# Altium PCB CPU_MOD.PcbDoc
Units mm, origin at the board's own origin, x right, y up, seen from the top; angles counter-clockwise.
Board outline 48 x 50.95 mm, 4 copper layers (Top Layer, GND, PWR, Bottom Layer), stack 0.861 mm thick; 78 components, 89 nets, 418 pads, 157 vias.
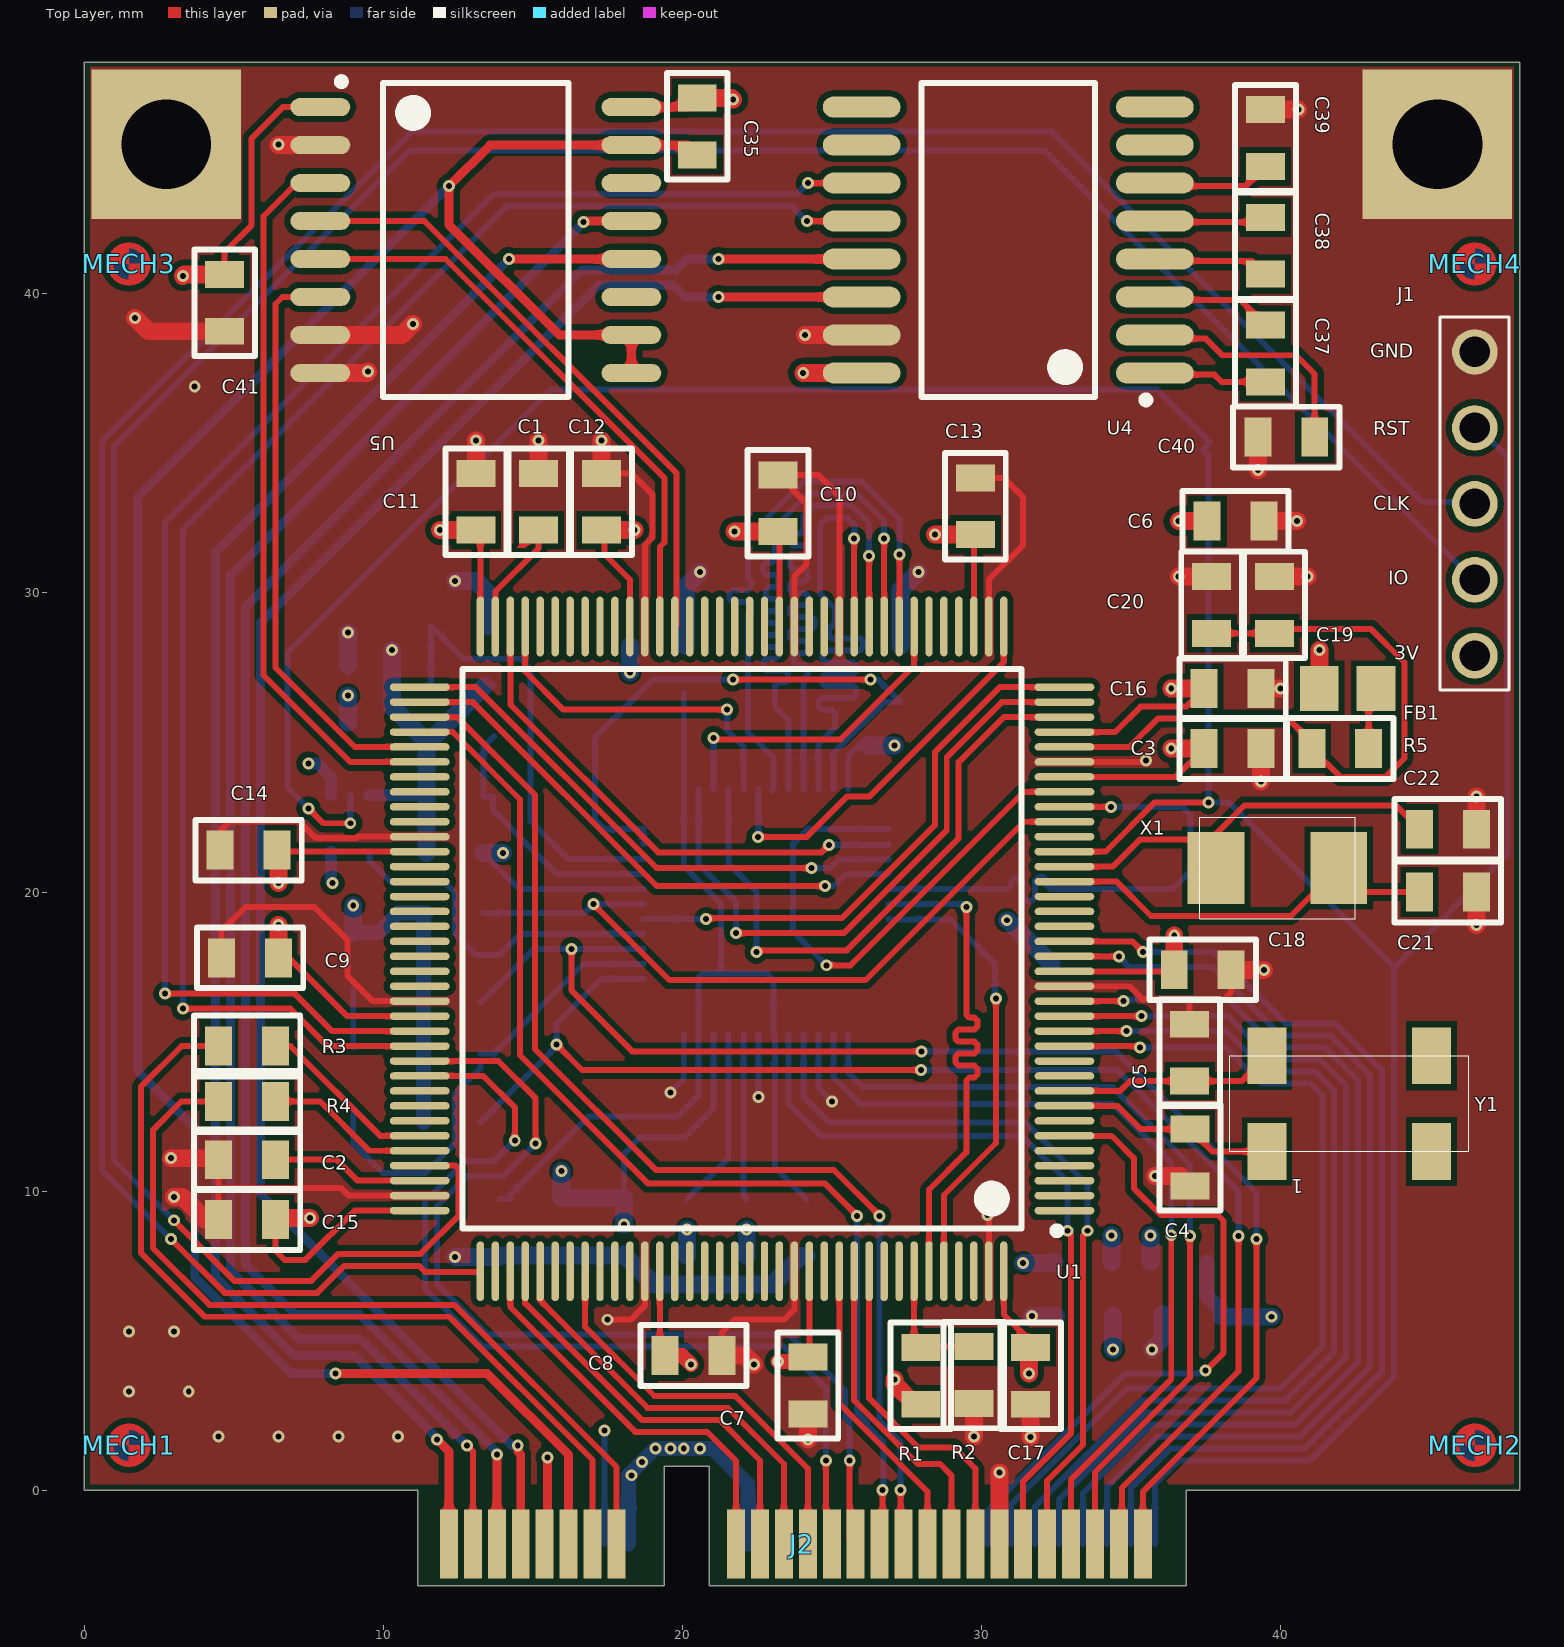
[diagram p0: Top Layer view]
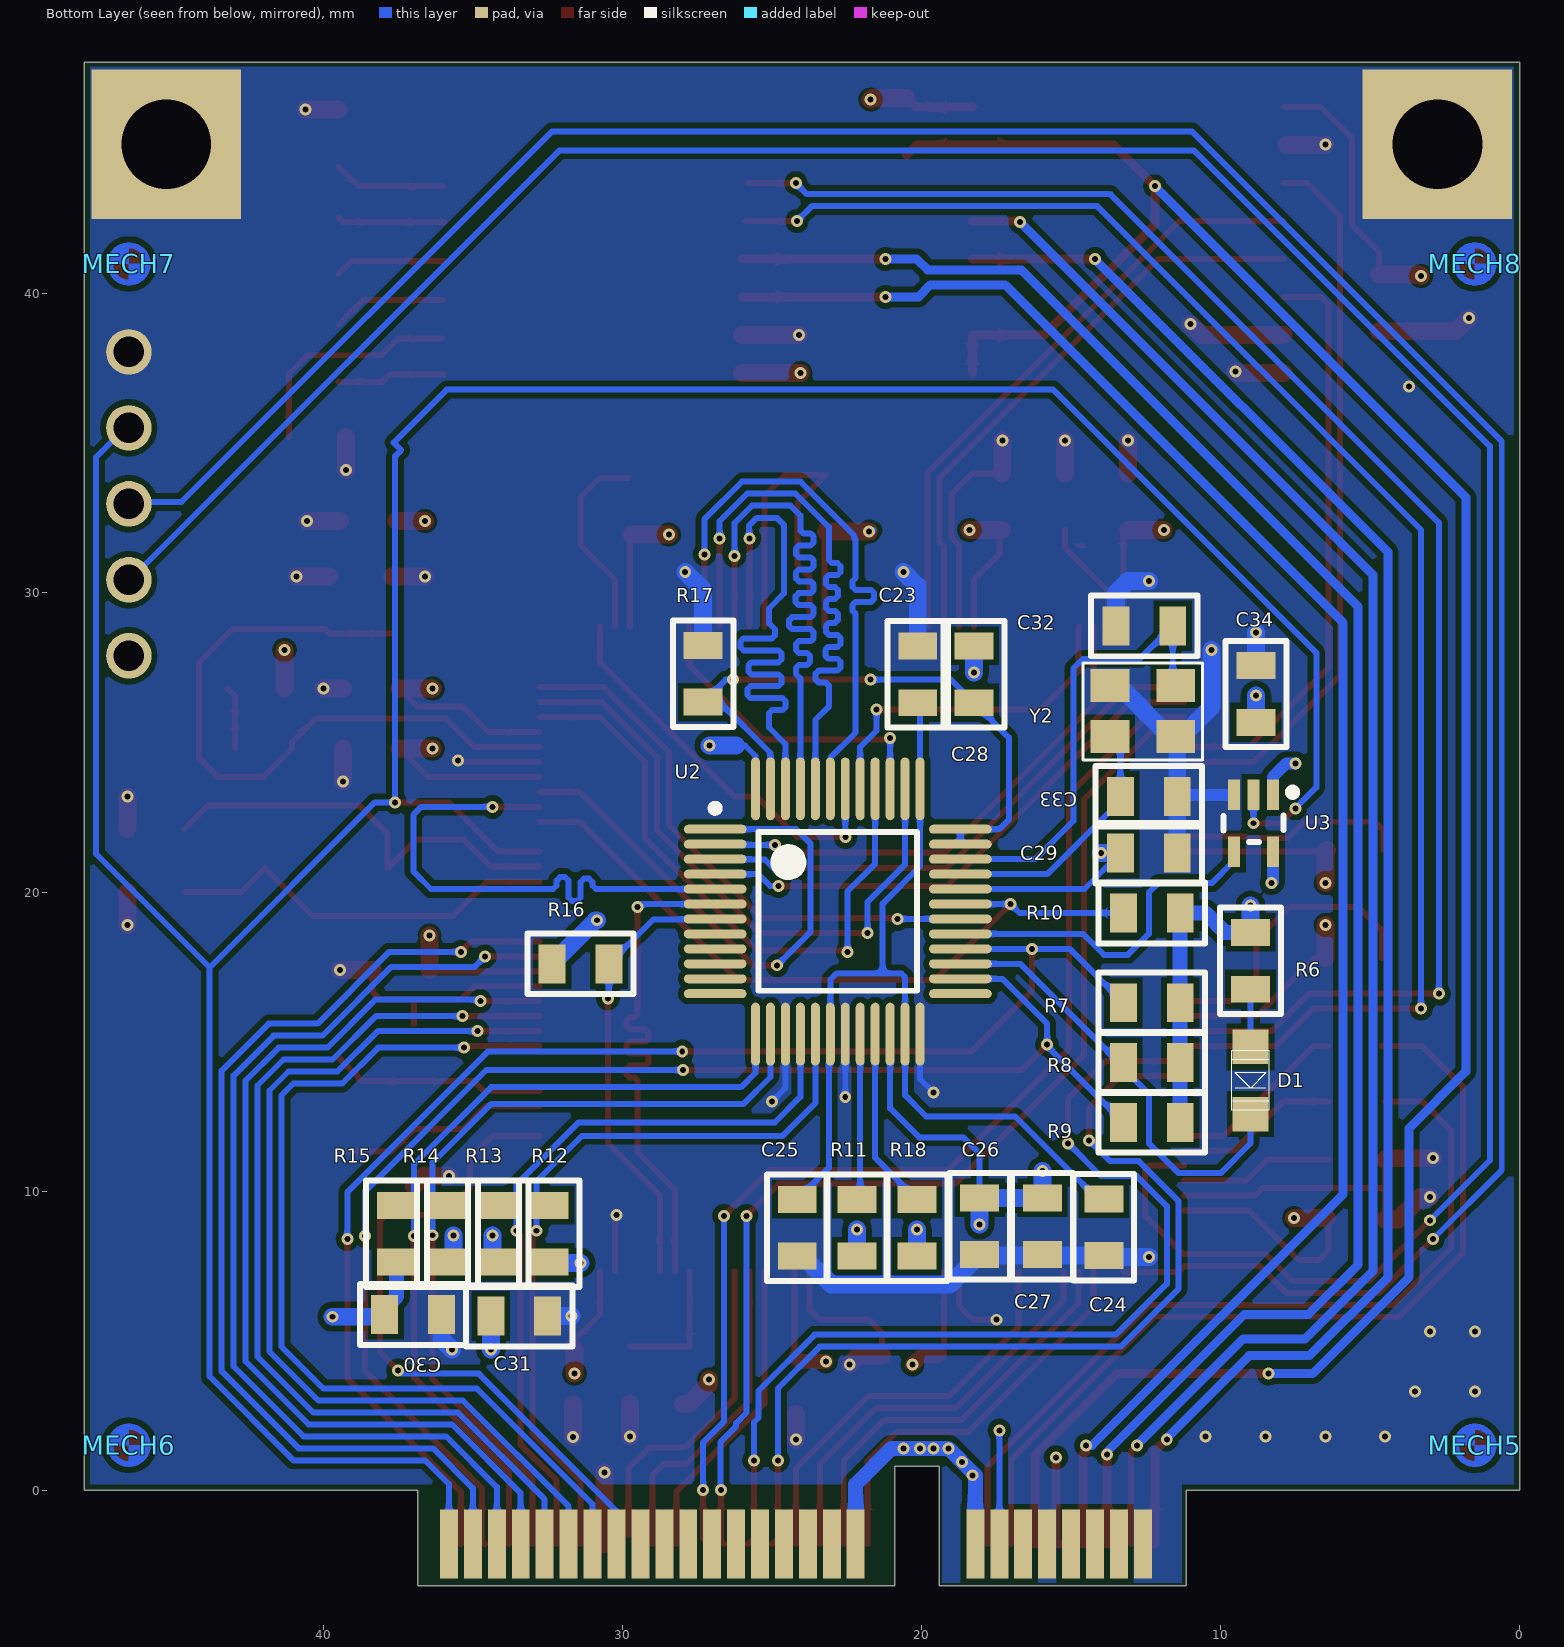
[diagram p1: Bottom Layer view, seen from below]
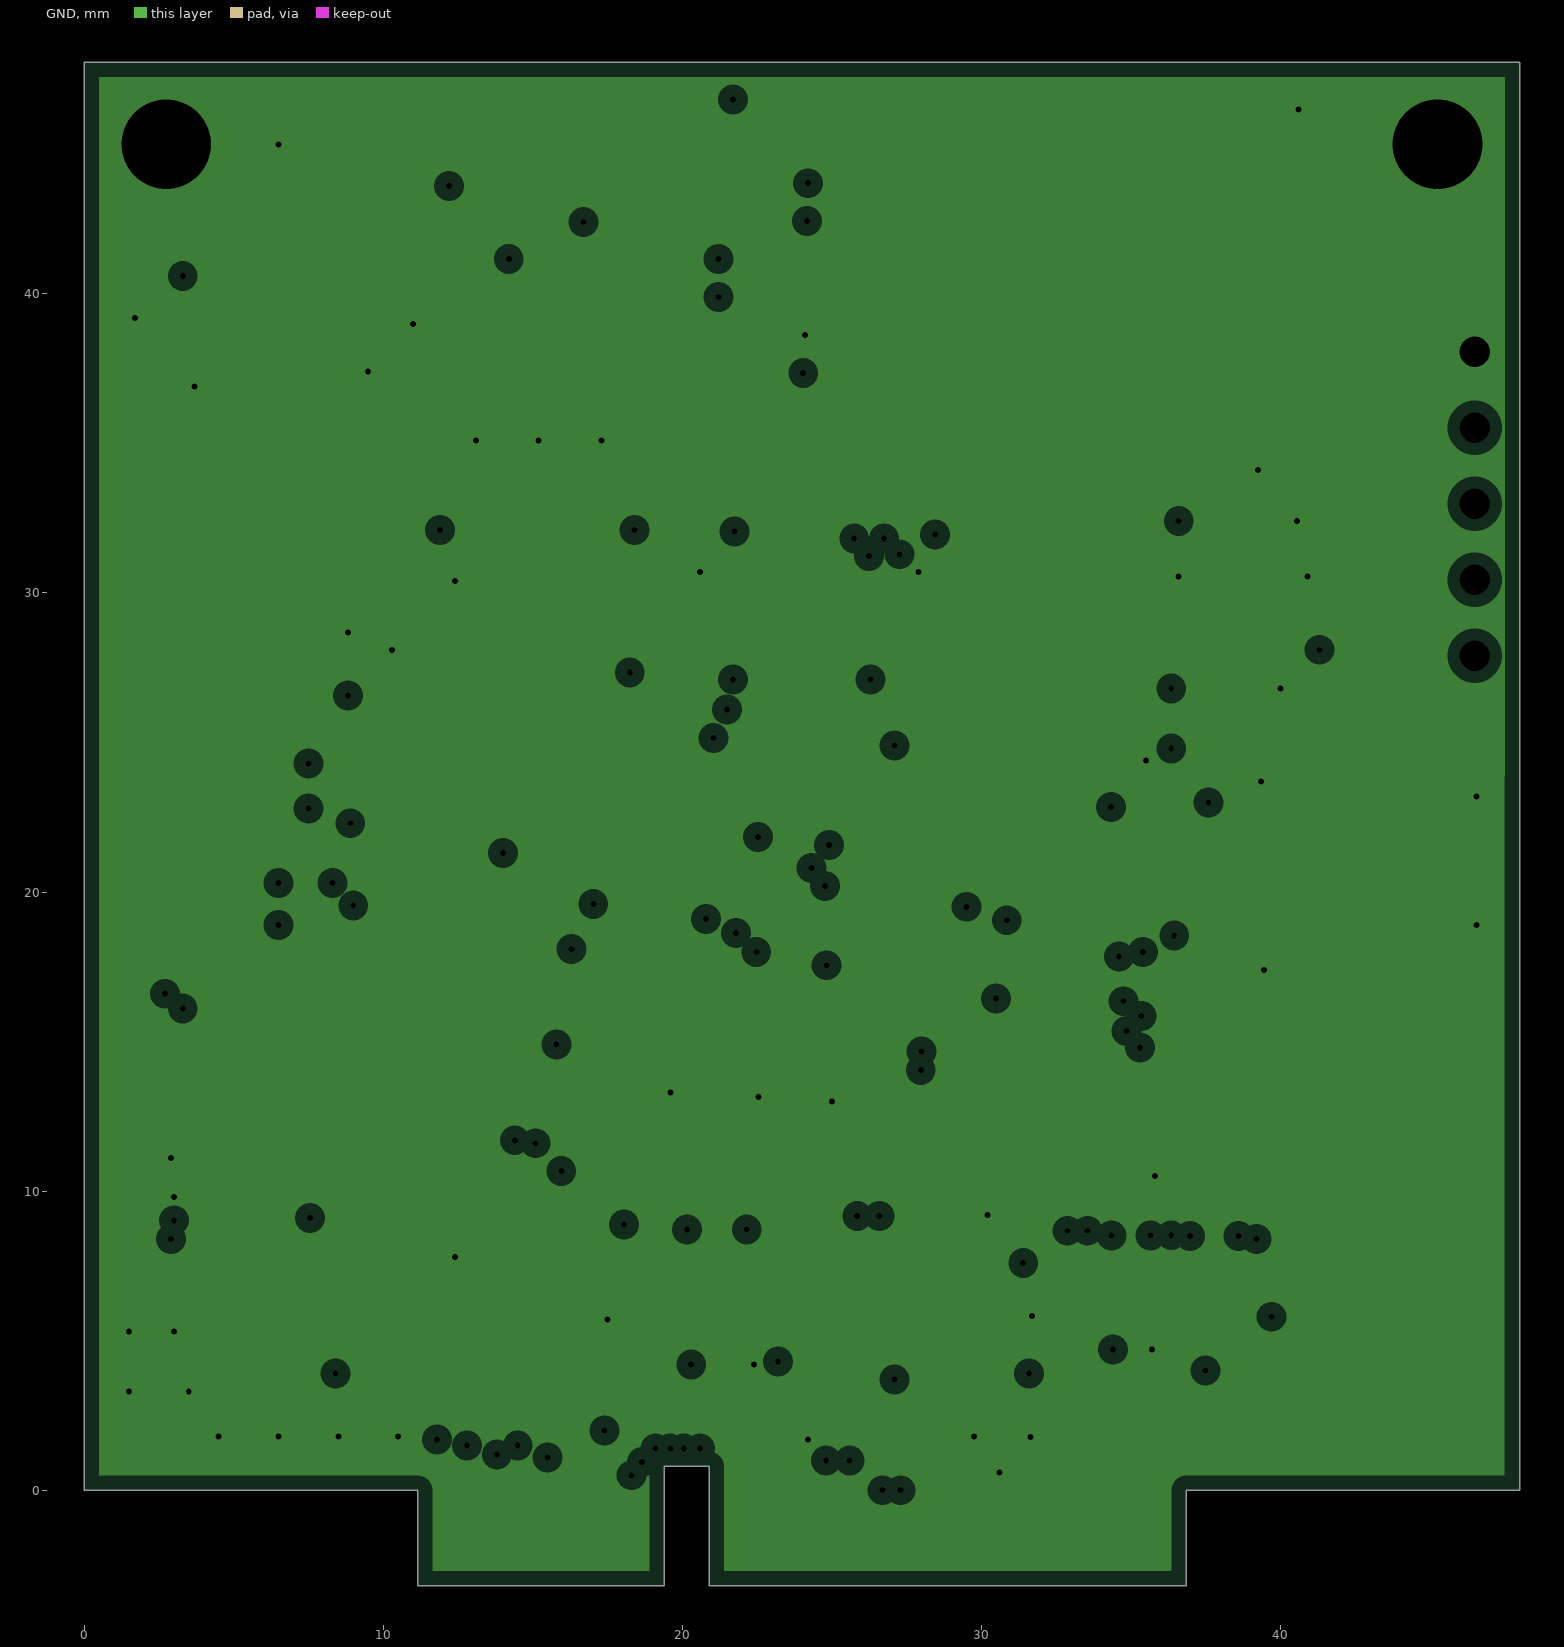
[diagram p2: GND, clearances drawn from the general rule]
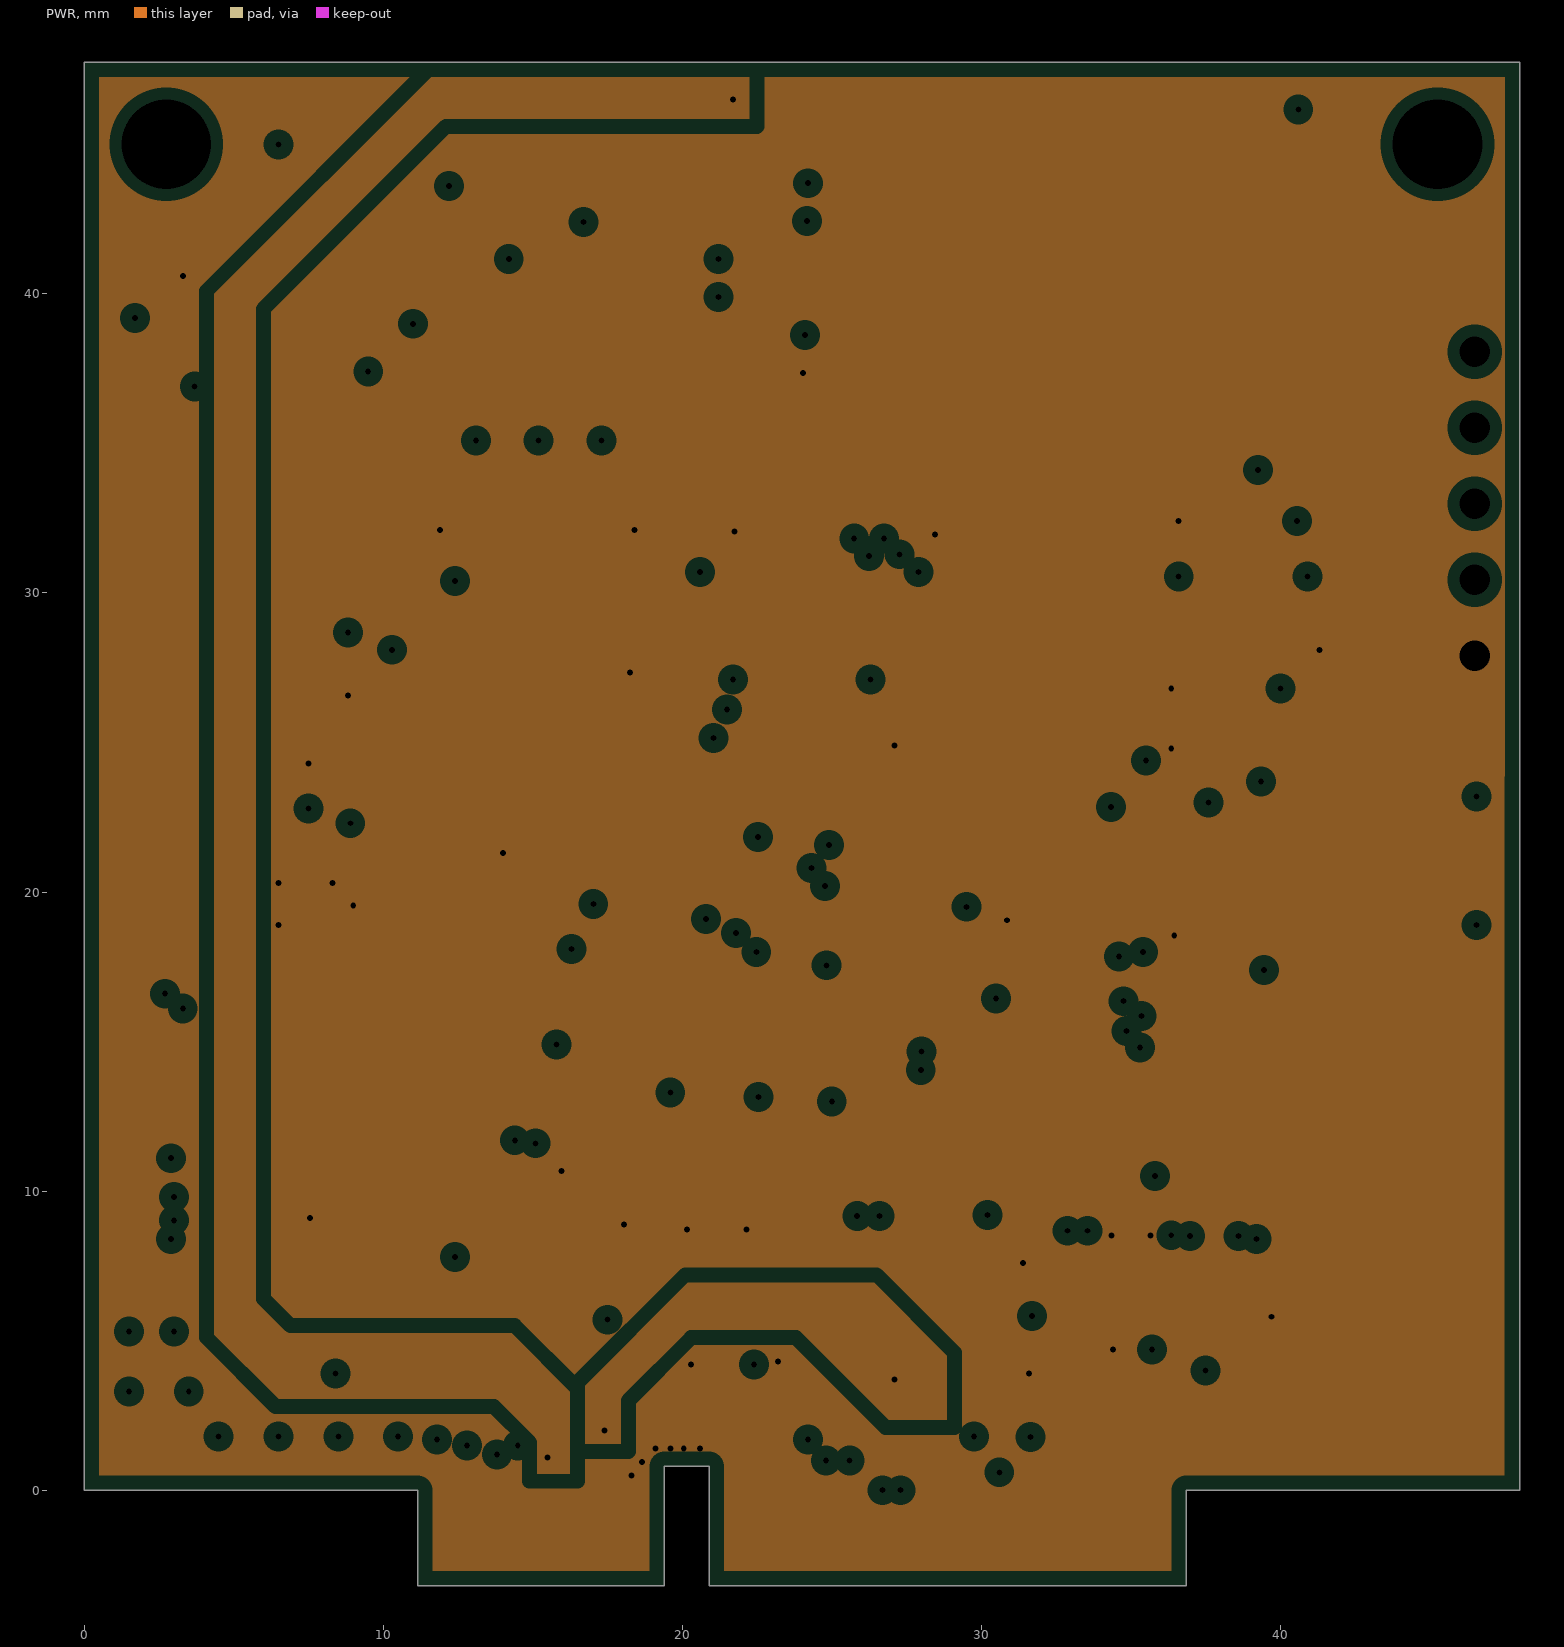
[diagram p3: PWR, clearances drawn from the general rule]
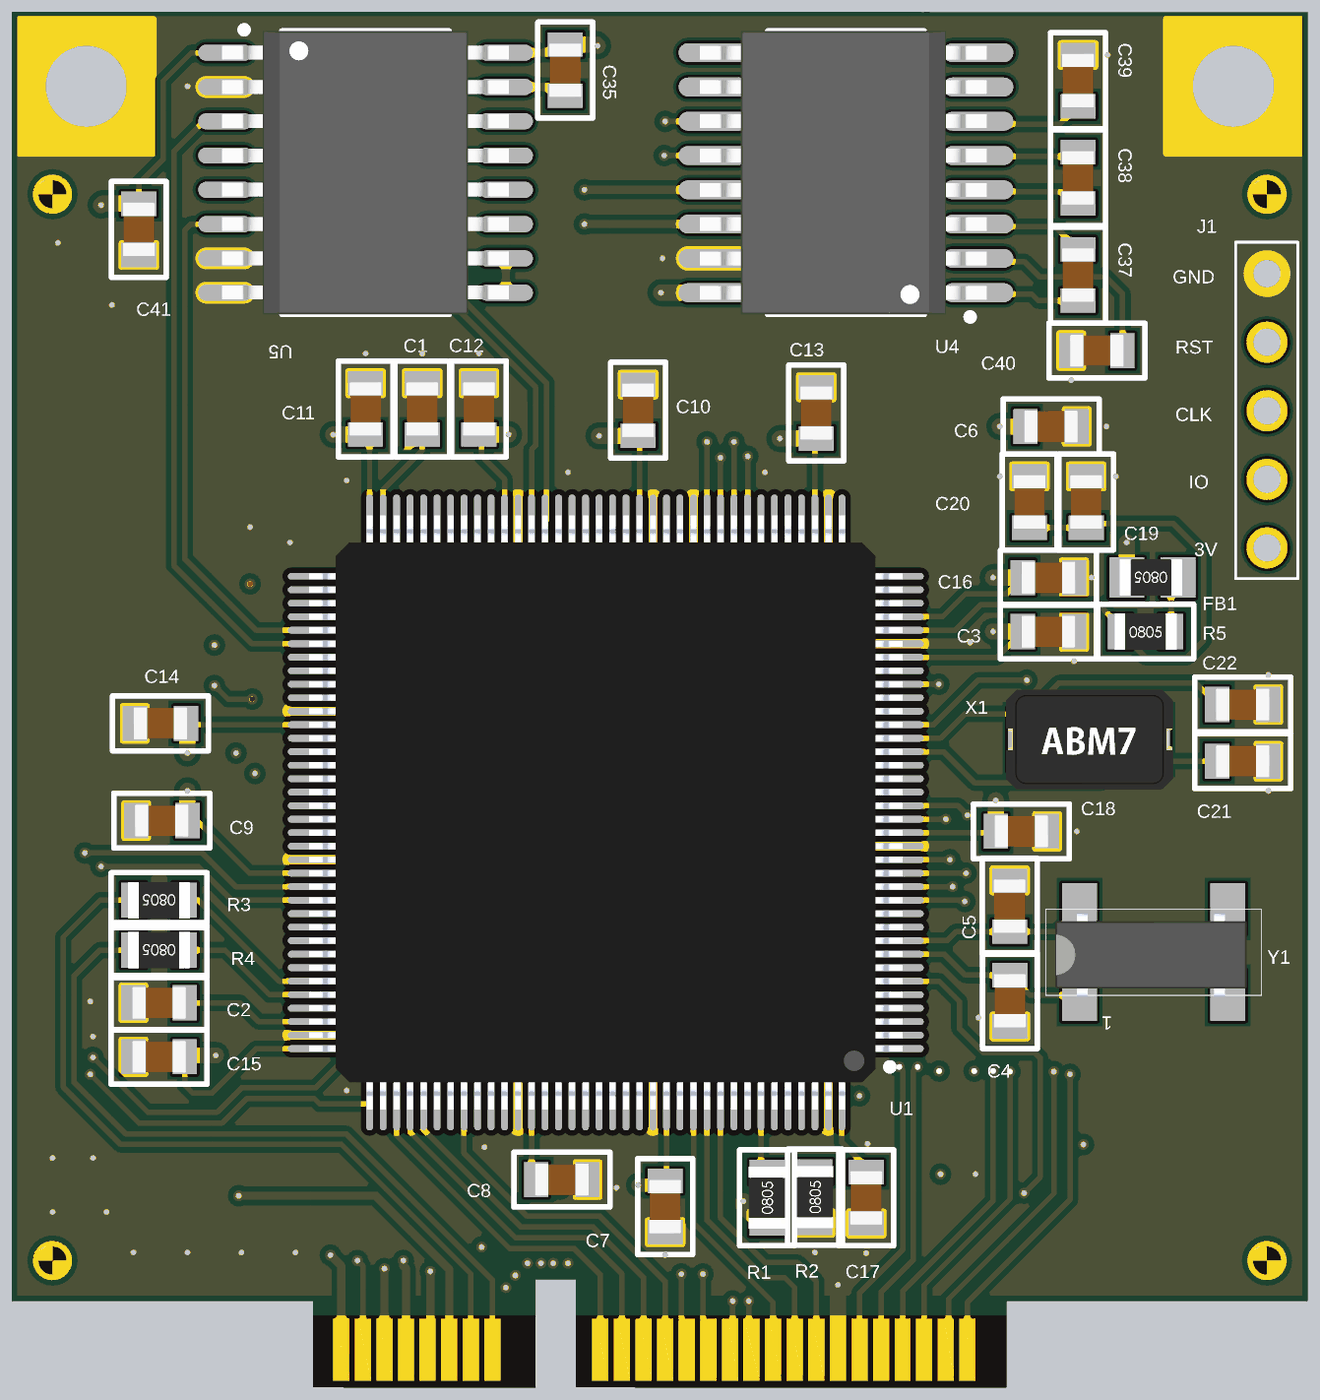
[diagram p4: 3D render of the assembled board from above, using the file's embedded part models]
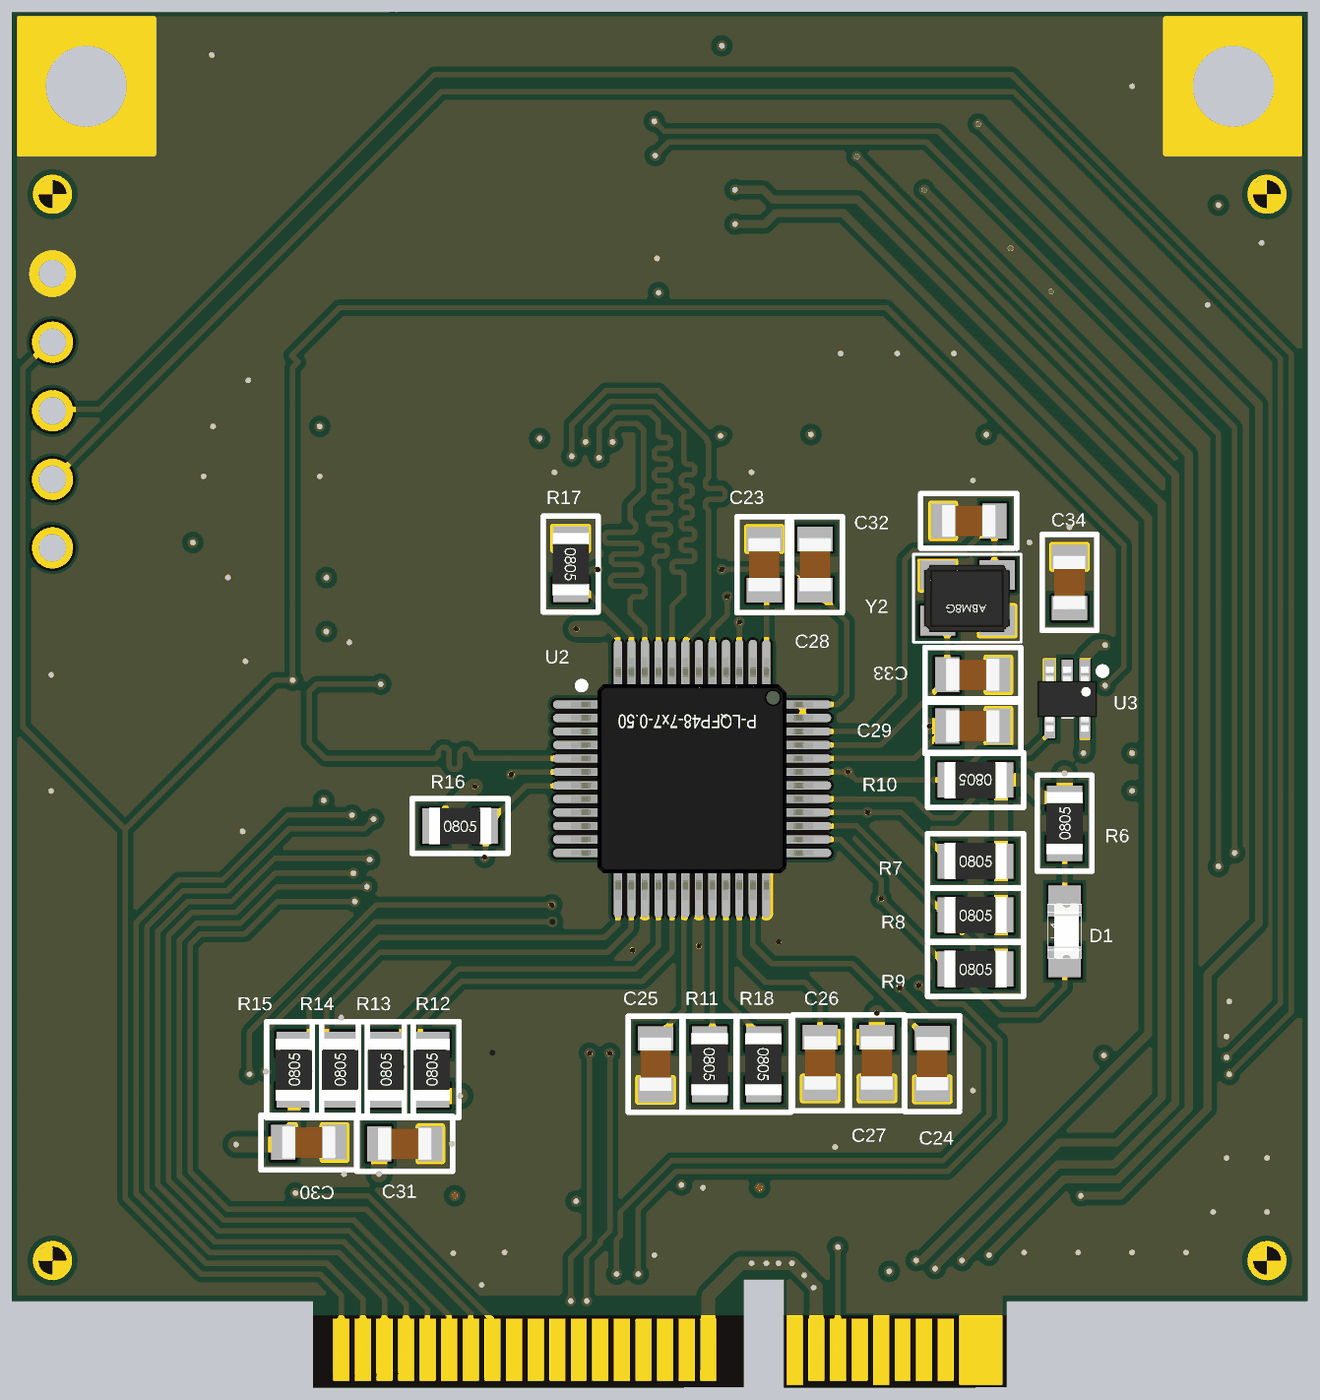
[diagram p5: 3D render of the assembled board from below, using the file's embedded part models]

## Layer stack, top to bottom
Top Solder: solder mask 0.0102, Solder Resist, Dk 3.5
Top Layer: signal copper 0.035
Dielectric 2: prepreg 0.1067, PP-014, Dk 4.2
GND: plane copper 0.035, net GND
Dielectric 3: core 0.508, Core-036, Dk 4.6
PWR: plane copper 0.035, net (Multiple Nets)
Dielectric 4: prepreg 0.1067, PP-014, Dk 4.2
Bottom Layer: signal copper 0.035
Bottom Solder: solder mask 0.0102, Solder Resist, Dk 3.5

## Board outline
11.149,-3.2 19.4,-3.201 19.401,0.799 20.899,0.799 20.899,-3.2 36.85,-3.201 36.851,-0.001 39.675,-0.001 48,-0.001 48.001,47.75 0,47.751 -0.001,0 11.149,-0.001

## Design rules (kind name [scope] priority, off if disabled: settings)
Clearance Clearance_2 [InPolygon vs IsTrack] p1: gap=0.2 ignorepadtopadclearanceinfootprint=FALSE except(0: Arc-Hole Track-Hole SMDPad-Hole THPad-Hole Via-Hole Fill-Hole Poly-Hole Region-Hole Text-Hole)
Clearance Clearance_1 [InPolygon vs IsPad] p2: gap=0.2 ignorepadtopadclearanceinfootprint=FALSE except(0: Arc-Hole Track-Hole SMDPad-Hole THPad-Hole Via-Hole Fill-Hole Poly-Hole Region-Hole Text-Hole)
Clearance [All] p3: gap=0.2 ignorepadtopadclearanceinfootprint=FALSE except(0: Arc-Hole Track-Hole SMDPad-Hole THPad-Hole Via-Hole Fill-Hole Poly-Hole Region-Hole Text-Hole)
DiffPairsRouting [All] p1 off: maxlimit=0.254 minlimit=0.254 mostfreqgap=0.254 toplayer_minwidth=0.381 toplayer_maxwidth=0.381 toplayer_prefwidth=0.381 bottomlayer_minwidth=0.381 bottomlayer_maxwidth=0.381 bottomlayer_prefwidth=0.381 maxuncoupledlength=12.7
FanoutControl Fanout_BGA [IsBGA] p1 off: bgadir=Out bgaviamode=Centered fanoutstyle=Auto fanoutdirection=Alternating viagrid=0.025 // Fanout_BGA (Default Rule)
FanoutControl Fanout_LCC [IsLCC] p2 off: bgadir=Out bgaviamode=Centered fanoutstyle=Auto fanoutdirection=Alternating viagrid=0.025 // Fanout_LCC (Default Rule)
FanoutControl Fanout_SOIC [IsSOIC] p3 off: bgadir=Out bgaviamode=Centered fanoutstyle=Auto fanoutdirection=Alternating viagrid=0.025 // Fanout_SOIC (Default Rule)
FanoutControl Fanout_Small [(CompPinCount < 5)] p4 off: bgadir=Out bgaviamode=Centered fanoutstyle=Auto fanoutdirection=OutThenIn viagrid=0.025 // Fanout_Small (Default Rule)
FanoutControl Fanout_Default [All] p5 off: bgadir=Out bgaviamode=Centered fanoutstyle=Auto fanoutdirection=Alternating viagrid=0.025 // Fanout_Default (Default Rule)
HoleSize [All] p1: absolutevalues=TRUE maxlimit=10 minlimit=0.2 maxpercent=80.000 minpercent=20.000
HoleToHoleClearance [All] p1: gap=0.1 allowstackedmicrovias=TRUE
MatchedLengths DiffPair_DIFF100MatchedLengths [InDifferentialPair ('ETHER0RD')] p1: tolerance=25.4 checknetsindiffpair=FALSE checkdiffpairvsdiffpair=TRUE checkxsignals=TRUE checkothers=TRUE
MinimumSolderMaskSliver [All] p1: minsoldermaskwidth=0.001
ParallelSegment [InNet('GSM_HS_DM') AND InNet('GSM_HS_DP')] p1: limit=50 gap=0.2
PlaneClearance [All] p1: clearance=0.4
PlaneConnect [All] p1: planeconnectstyle=Direct reliefexpansion=0.508 reliefentries=4 reliefconductorwidth=0.254 reliefairgap=0.254
PolygonConnect PolygonConnect_1 [InNet('GND') and OnLayer('Bottom Layer') vs InNet('GND') and OnLayer('Top Layer')] p1: connectstyle=Direct reliefconductorwidth=0.2 reliefentries=4 polygonreliefangle="90 Angle" airgapwidth=0.2
PolygonConnect [All] p2: connectstyle=Direct reliefconductorwidth=0.2 reliefentries=4 polygonreliefangle="90 Angle" airgapwidth=0.2
RoutingTopology [All] p1: topology=Daisy_Balanced
RoutingVias [All] p1: holewidth=0.2 width=0.4 viastyle="Through Hole" minholewidth=0.2 minwidth=0.4 maxholewidth=0.2 maxwidth=0.4
SilkToSilkClearance [All] p1: silktosilkclearance=0.1
SilkToSolderMaskClearance [IsPad] p1: minsilkscreentomaskgap=0 clearancetoexposedcopper=TRUE
SolderMaskExpansion [All] p1: expansion=0.102 istentingtop=FALSE
Width [All] p1: maxlimit=2 minlimit=0.15 preferedwidth=0.2
16 further rules are at their usual default settings.

## Classes and differential pairs
net class MMC_SD: STM32F4_MMC0_CLK STM32F4_MMC0_CMD STM32F4_MMC0_D0 STM32F4_MMC0_D1 STM32F4_MMC0_D2 STM32F4_MMC0_D3
net class ETHERNET: ETH0_INT ETH0_MII_COL ETH0_MII_CRS ETH0_MII_MD_CLK ETH0_MII_MD_IO ETH0_RSTN ETH0_RX_CLK ETH0_RX_DV ETH0_RX_ERR ETH0_RXD_0 ETH0_RXD_1 ETH0_RXD_2 ETH0_RXD_3 ETH0_TX_CLK ETH0_TX_EN ETH0_TXD_0 ETH0_TXD_1 ETH0_TXD_2 ETH0_TXD_3 ETH0RST
component class "[01] - CPU": C1 C2 C3 C4 C5 C6 C7 C9 C10 C11 C12 C13 C14 C15 C16 C17 C18 C19 C20 C21 C22 FB1 J1 MECH1 MECH2 MECH3 MECH4 MECH5 MECH6 MECH7 MECH8 R1 R2 R3 R4 R5 U1 X1 Y1
component class "[04] - ETHERNET": C23 C24 C25 C26 C27 C28 C29 C30 C31 C32 C33 C34 D1 R6 R7 R8 R9 R10 R11 R12 R13 R14 R15 R16 R17 R18 U2 U3 Y2
component class "[05] - MINIPCICONN": J2
component class "[02] - RS232": C37 C38 C39 C40 U4
component class "[03] - RS485": C35 C41 U5
net class RS485: RS485_D RS485_DE RS485_R RS485_RE

## Components (designator, comment, footprint, x,y, rotation, side; value= is the part's Value field where it differs from the comment)
C1 "2.2µF" C0805 15.2,33.05 r270 top
C2 "2.2µF" C0805 5.45,11.05 r0 top
C3 "1µF" C0805 38.4,24.8 r0 top
C4 "18PF" C0805 36.975,11.125 r270 top
C5 "18PF" C0805 36.965,14.631 r90 top
C6 "4.7µF" C0805 38.5,32.4 r180 top
C7 "100nF" C0805 24.2,3.5 r90 top
C8 "100nF" C0805 20.375,4.5 r180 top
C9 "100nF" C0805 5.55,17.8 r0 top
C10 "100nF" C0805 23.2,33 r270 top
C11 "100nF" C0805 13.1,33.05 r270 top
C12 "100nF" C0805 17.3,33.05 r270 top
C13 "100nF" C0805 29.8,32.9 r270 top
C14 "100nF" C0805 5.5,21.4 r0 top
C15 "100nF" C0805 5.45,9.05 r0 top
C16 "100nF" C0805 38.4,26.8 r180 top
C17 "100nF" C0805 31.65,3.825 r90 top
C18 "100nF" C0805 37.4,17.4 r180 top
C19 "1µF" C0805 39.8,29.6 r270 top
C20 "100nF" C0805 37.7,29.6 r270 top
C21 "18PF" C0805 45.6,20 r0 top
C22 "18PF" C0805 45.6,22.1 r0 top
C23 "100nF" C0805 20.125,27.28 r270 bottom
C24 "100nF" C0805 13.904,8.793 r90 bottom
C25 "100nF" C0805 24.156,8.775 r90 bottom
C26 "1µF" C0805 18.056,8.825 r90 bottom
C27 "1µF" C0805 15.956,8.825 r90 bottom
C28 "1µF" C0805 18.246,27.28 r90 bottom
C29 "1µF" C0805 12.4,21.3 r0 bottom
C30 "100nF" C0805 37,5.875 r0 bottom
C31 "100nF" C0805 33.45,5.825 r0 bottom
C32 "18PF" C0805 12.55,28.9 r180 bottom
C33 "18PF" C0805 12.4,23.2 r0 bottom
C34 "1µF" C0805 8.82,26.621 r270 bottom
C35 "100nF" C0805 20.5,45.6 r90 top
C37 "100nF" C0805 39.497,38.01 r270 top
C38 "100nF" C0805 39.497,41.61 r270 top
C39 "100nF" C0805 39.497,45.21 r270 top
C40 "100nF" C0805 40.197,35.21 r0 top
C41 "1µF" C0805 4.7,39.7 r90 top
D1 "LED Green" LED_0805 9,13.7 r270 bottom
FB1 "150 Ohm @ 100MHz" 0805 43.2,26.8 r180 top
J1 "Header" "Header 1x5 2.54mm" 46.5,27.9 r90 top
J2 "MINIPCIe" "MINI PCIE" 9,-3.2 r0 top locked
MECH1 "MECH-Fidicuals" T-Fidicuals 1.5,1.5 r90 top
MECH2 "MECH-Fidicuals" T-Fidicuals 46.5,1.5 r90 top
MECH3 "MECH-Fidicuals" T-Fidicuals 1.5,41 r90 top
MECH4 "MECH-Fidicuals" T-Fidicuals 46.5,41 r90 top
MECH5 "MECH-Fidicuals" T-Fidicuals 1.5,1.5 r90 bottom
MECH6 "MECH-Fidicuals" T-Fidicuals 46.5,1.5 r90 bottom
MECH7 "MECH-Fidicuals" T-Fidicuals 46.5,41 r90 bottom
MECH8 "MECH-Fidicuals" T-Fidicuals 1.5,41 r90 bottom
R1 "#NAME?" R0805 27.975,3.825 r90 top
R2 "R-10K,%1,0805" R0805 29.75,3.85 r90 top
R3 "22 Ohms" R0805 5.45,14.85 r180 top
R4 "22 Ohms" R0805 5.45,13 r180 top
R5 "49.9 Ohms" R0805 42,24.8 r0 top
R6 "270R" R0805 9,17.7 r90 bottom
R7 "R-2.2K,0805" R0805 12.3,16.3 r180 bottom
R8 "R-2.2K,0805" R0805 12.3,14.3 r180 bottom
R9 "R-2.2K,0805" R0805 12.3,12.3 r180 bottom
R10 "R-2.2K,0805" R0805 12.3,19.3 r0 bottom
R11 "R-2.2K,0805" R0805 22.156,8.775 r270 bottom
R12 "49.9 Ohms" R0805 32.45,8.575 r90 bottom
R13 "49.9 Ohms" R0805 34.15,8.575 r90 bottom
R14 "49.9 Ohms" R0805 35.85,8.575 r90 bottom
R15 "49.9 Ohms" R0805 37.55,8.575 r90 bottom
R16 "R-2.2K,0805" R0805 31.4,17.6 r180 bottom
R17 "4.7 Ohms" R0805 27.3,27.3 r270 bottom
R18 "R-2.2K,0805" R0805 20.156,8.775 r270 bottom
U1 "IC-MC-STM32F407ZGT6" STM-LQFP144_L 22,18.1 r180 top locked
U2 "IC-TLK110 ERHERNET" STM-LQFP48_M 22.8,19.35 r180 bottom locked
U3 "SN74L" sm-so-sc70-5 8.9,22.3 r0 bottom
U4 "IC-MAX3232E" TI-DW16_M 30.9,41.8 r180 top
U5 "ISO3082" DW16_L 13.1,41.8 r0 top
X1 "ABM7-8.000MHZ" SM_OSC_ABM3 39.9,20.8 r0 top
Y1 "32.7680 KHZ 12.5PF" CRSTAL_RTC 42.3,12.925 r180 top
Y2 "25MHz" ABM8G 11.5,26.9 r0 bottom

## Footprints (in the part's own frame and the unit in brackets; to place one, negate y for a bottom-side part, rotate by r counter-clockwise, add the part's x,y. Pads: shape width x height; smd on the part's side, far side on the other; paste and mask are expansions set on the pad)
0805 [mm]
  rect 1.3x1.5 smd: 1(0,0) 2(1.9,0)
  body extent -0.15,-0.67 2.15,0.68, height 0.76
ABM8G [mm] "XTAL"
  rect 1.3x1.1 smd: 1(0,0) 2(2.2,0) 3(2.2,1.7) 4(0,1.7)
  silkscreen extent -0.89,-0.76 3.1,2.49, body extent -0.48,-0.39 2.72,2.11, height 1.01
C0805 [mm]
  rect 0.9x1.3 smd: 1(-0.95,0) 2(0.95,0)
  silkscreen extent -1.78,-1.02 1.78,1.02, body extent -1,-0.6 1,0.6, height 0.95